# Altium PCB Arduino_DUE_V02b.PcbDoc
Units mil, origin at the board's own origin, x right, y up, seen from the top; angles counter-clockwise.
Board outline 4416.66 x 2112 mil, 2 copper layers (Top Layer, Bottom Layer); 78 components, 131 nets, 302 pads, 38 vias.
Unrouted connection lines stored in the file: 17.
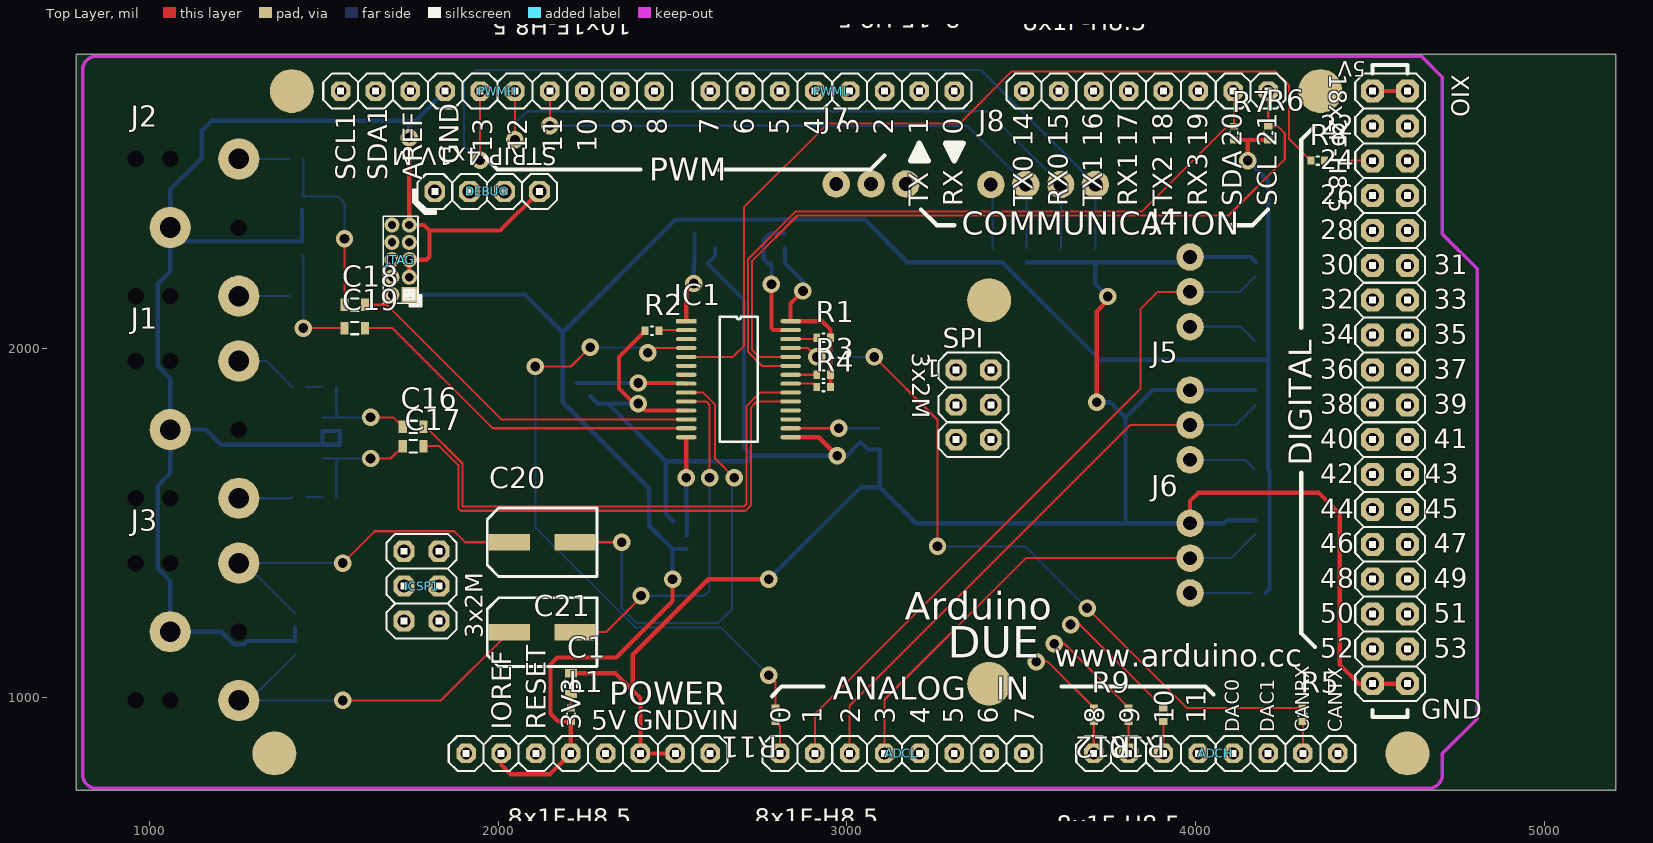
[diagram p0: Top Layer view]
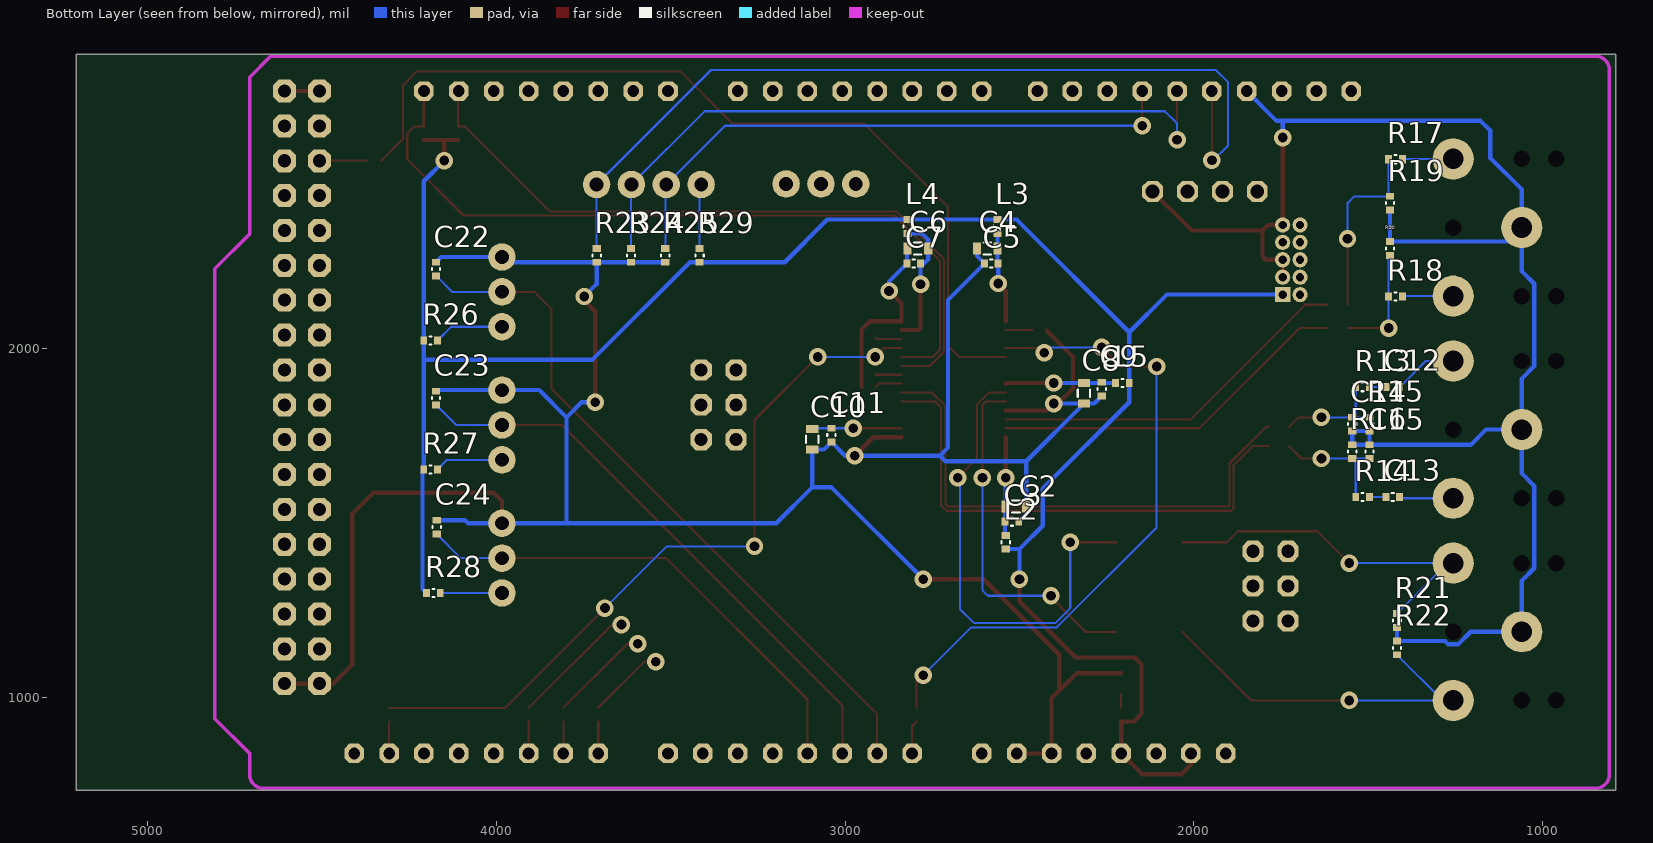
[diagram p1: Bottom Layer view, seen from below]
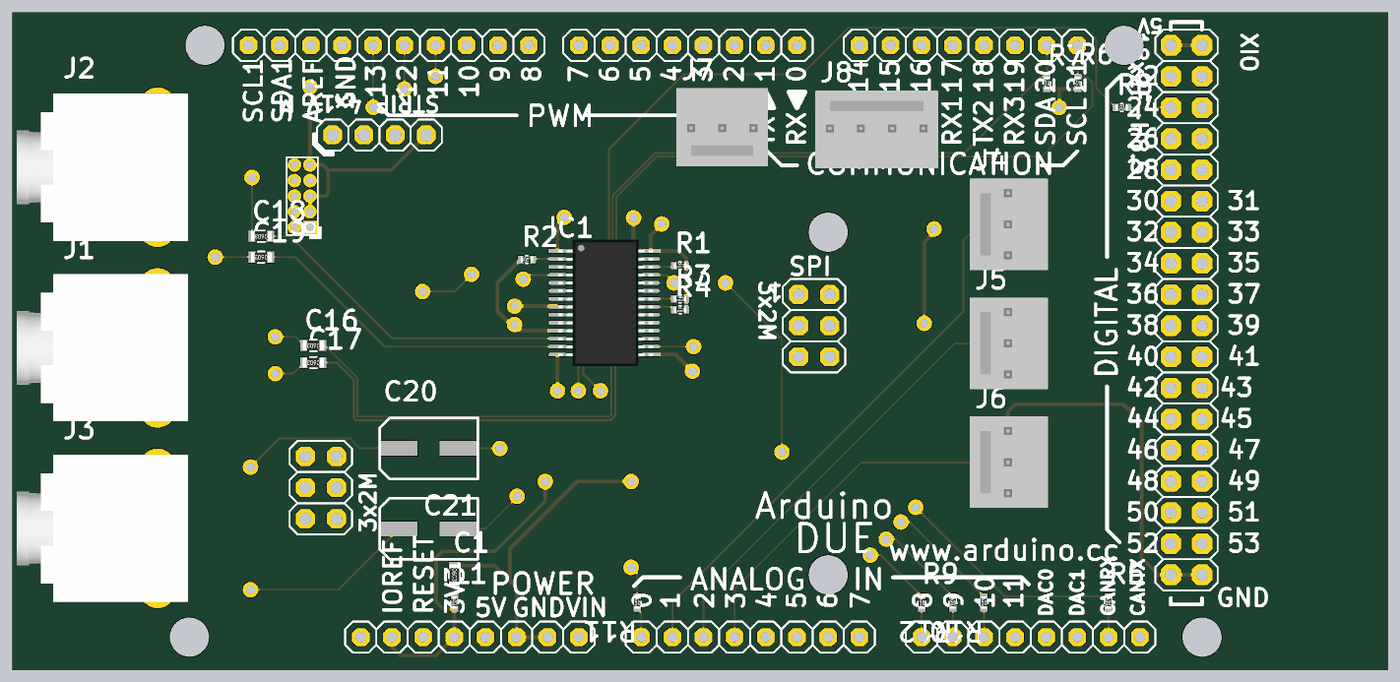
[diagram p2: 3D render of the assembled board from above, using the file's embedded part models]
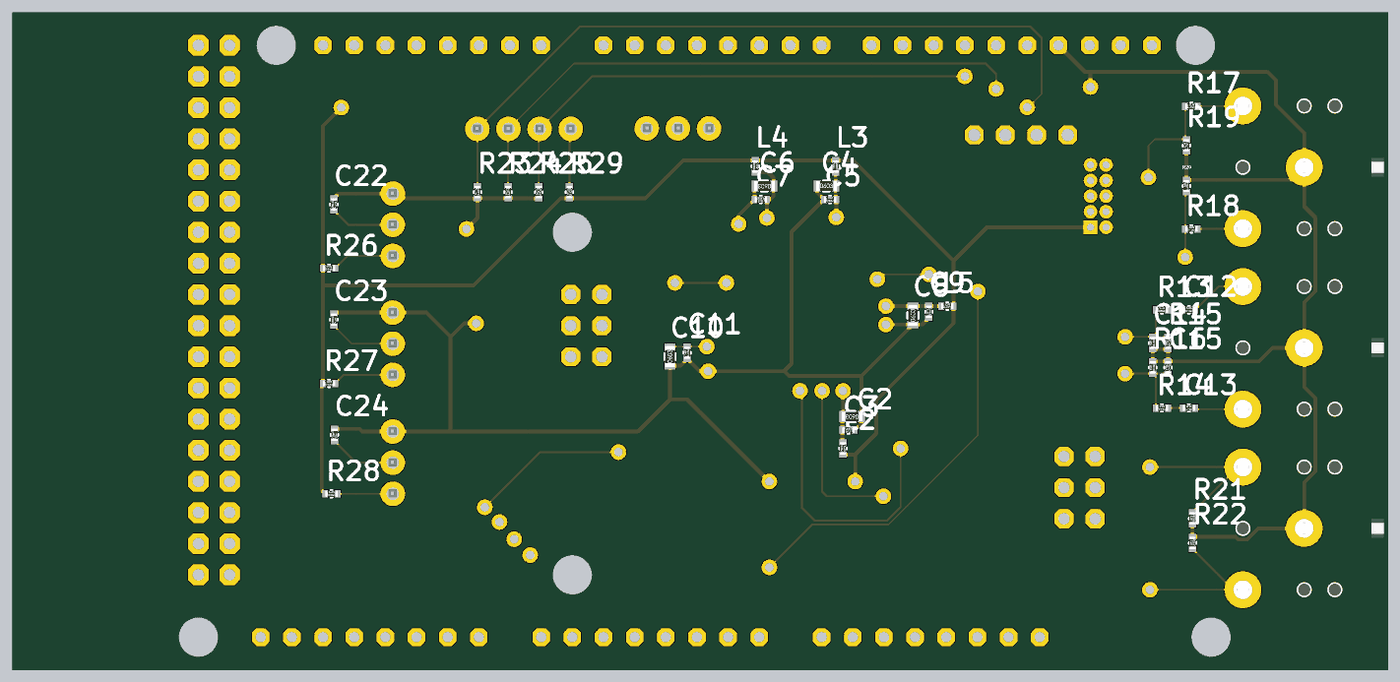
[diagram p3: 3D render of the assembled board from below, using the file's embedded part models]

## Layer stack, top to bottom
Top Solder 1: solder mask 0.4, Solder Resist, Dk 3.5
Top Layer: signal copper 1.4
Dielectric1: core 12.6, FR-4, Dk 4.8
Bottom Layer: signal copper 1.4
Bottom Solder 1: solder mask 0.4, Solder Resist, Dk 3.5

## Board outline
789.13,733 5205.79,733 5205.79,2845 789.13,2845

## Design rules (kind name [scope] priority, off if disabled: settings)
Clearance [All] p1: gap=6
ComponentClearance [All] p1: gap=12 collisioncheckmode=3 verticalgap=12 showdistances=FALSE
DiffPairsRouting [All] p1: maxlimit=393.7 minlimit=4.92 mostfreqgap=5.91 toplayer_minwidth=15 toplayer_maxwidth=15 toplayer_prefwidth=15 bottomlayer_minwidth=15 bottomlayer_maxwidth=15 bottomlayer_prefwidth=15 maxuncoupledlength=500
FabricationTestPointUsage FabricationTestPointUsage_1 [All] p1: valid=0 allowmultiple=FALSE
FabricationTestpoint FabricationTestpoint_1 [All] p1: side=3 testpointundercomponent=TRUE minsize=40 maxsize=100 preferedsize=60 minholesize=0 maxholesize=40 preferedholesize=32 testpointgrid=1 allowsidetop=TRUE allowsidebottom=TRUE usegrid=TRUE gridtolerance=0.01
HoleSize [All] p1: absolutevalues=TRUE maxlimit=236.22 minlimit=7.87 maxpercent=80.000 minpercent=20.000
HoleSize FabricationTestpoint [All] p2 off: absolutevalues=TRUE maxlimit=100 minlimit=1 maxpercent=80.000 minpercent=20.000
HoleSize FabricationTestPointUsage [All] p3 off: absolutevalues=TRUE maxlimit=100 minlimit=1 maxpercent=80.000 minpercent=20.000
PlaneClearance [All] p1: clearance=19.68
PlaneConnect [All] p1: planeconnectstyle=Relief reliefexpansion=15.75 reliefentries=4 reliefconductorwidth=5.91 reliefairgap=5.91
PolygonConnect [All] p1: connectstyle=Relief reliefconductorwidth=5.91 reliefentries=4 polygonreliefangle="90 Angle" airgapwidth=10
RoutingCorners [All] p1: cornerstyle=45-Degree minsetback=49.21 maxsetback=49.21
RoutingVias [All] p1: holewidth=11.81 width=23.62 viastyle="Through Hole" minholewidth=7.87 minwidth=17.72 maxholewidth=17.72 maxwidth=29.53
SolderMaskExpansion [All] p1: expansion=2.95
Width "Power Nets" [(InNet('1_DBVDD') OR InNet('+3V3') OR InNet('+5V') OR InNet('8_HPVDD') OR InNet('11_HPGND') OR InNet('14_AVDD') OR InNet('27_DCVDD'))] p1: maxlimit=12 minlimit=12 preferedwidth=12
Width [All] p2: maxlimit=10 minlimit=6 preferedwidth=8
22 further rules are at their usual default settings.

## Components (designator, comment, footprint, x,y, rotation, side; value= is the part's Value field where it differs from the comment)
ADCH "8x1F-H8.5" 1X08 4057.98,839 r0 top
ADCL "8x1F-H8.5" 1X08 3157.98,839 r0 top
C1 "Cap" 0603_s 2208.66,1039.37 r270 top
C2 "Cap" 0603_s 2509.84,1547.24 r0 bottom
C3 "Capacitor" 0402_s 2521.65,1503.94 r0 bottom
C4 "Cap" 0603_s 2592.52,2287.4 r180 bottom
C5 "Capacitor" 0402_s 2580.71,2244.09 r180 bottom
C6 "Cap" 0603_s 2791.34,2287.4 r0 bottom
C7 "Capacitor" 0402_s 2803.15,2244.09 r0 bottom
C8 "Cap" 0603_s 2314.96,1872.05 r90 bottom
C9 "Capacitor" 0402_s 2263.78,1883.86 r90 bottom
C10 "Cap" 0603_s 3094.49,1740.16 r90 bottom
C11 "Capacitor" 0402_s 3039.37,1751.97 r90 bottom
C12 "Capacitor" 0402_s 1429.13,1889.76 r180 bottom
C13 "Capacitor" 0402_s 1429.13,1574.8 r180 bottom
C14 "Capacitor" 0402_s 1545.28,1783.46 r90 bottom
C15 "Capacitor" 0402_s 1496.06,1704.72 r90 bottom
C16 "Cap" 0603_s 1755.91,1775.59 r180 top
C17 "Cap" 0603_s 1755.91,1720.47 r180 top
C18 "Cap" 0603_s 1588.58,2125.98 r180 top
C19 "Cap" 0603_s 1588.58,2059.06 r180 top
C20 "Capacitor" EEEFK0J221P 2125.98,1444.88 r180 top
C21 "Capacitor" EEEFK0J221P 2125.98,1186.98 r180 top
C22 "Capacitor" 0402_s 4173.23,2228.35 r270 bottom
C23 "Capacitor" 0402_s 4173.23,1858.27 r270 bottom
C24 "Capacitor" 0402_s 4171.26,1488.19 r270 bottom
COMMUNICATION "8x1F-H8.5" 1X08 3857.98,2739 r0 top
DEBUG "STRIP 4x1V M" 1X04 1967.98,2451 r180 top
IC1 "WM8731" SSOP28 2539.37,2078.74 r0 top
ICSP1 "3x2M" 2X03 1779.98,1319 r90 top
J1 "FC68131" FC68131 1059.06,1767.78 r0 top
J2 "FC68131" FC68131 1059.06,2347.48 r0 top
J3 "FC68131" FC68131 1059.06,1188.07 r0 top
J4 "MOLEX_3" 254_3 3984.25,2062.99 r90 top
J5 "MOLEX_3" 254_3 3984.25,1681.1 r90 top
J6 "MOLEX_3" 254_3 3984.25,1299.21 r90 top
J7 "MOLEX_3" 254_3 3169.29,2472.44 r180 top
J8 "MOLEX_4" 254_4 3412.99,2470.91 r0 top
JTAG "*" PINHEAD_2X05_127 1719.98,2255 r180 top
L1 "" 0402_S 2208.66,950 r270 top
L2 "" 0402_S 2539.37,1444.88 r270 bottom
L3 "" 0402_S 2562.99,2350.39 r90 bottom
L4 "" 0402_S 2820.87,2350.39 r270 bottom
L5 "" 0402_S 2204.72,1901.57 r180 bottom
POWER "8x1F-H8.5" 1X08 2257.98,839 r0 top
PWMH "10x1F-H8.5" 1X10 1997.98,2739 r180 top
PWML "8x1F-H8.5" 1X08 2957.98,2739 r180 top
R1 "" 0402_s 2933.07,2031.5 r0 top
R2 "" 0402_s 2440.94,2051.18 r180 top
R3 "" 0402_s 2933.07,1925.2 r0 top
R4 "" 0402_s 2933.07,1889.76 r0 top
R5 "" 0402_s 4307.09,950 r270 top
R6 "" 0402_s 4208.66,2618.11 r270 top
R7 "" 0402_s 4110.24,2618.11 r270 top
R8 "" 0402_s 4350.39,2539.37 r0 top
R9 "" 0402_s 3708.66,950 r270 top
R10 "" 0402_s 3907.48,950 r270 top
R11 "" 0402_s 2795.28,950 r270 top
R12 "" 0402_s 3808.07,950 r270 top
R13 "" 0402_s 1515.75,1889.76 r180 bottom
R14 "" 0402_s 1515.75,1574.8 r180 bottom
R15 "" 0402_s 1496.06,1783.46 r90 bottom
R16 "" 0402_s 1545.28,1704.72 r90 bottom
R17 "" 0402_s 1421.26,2543.31 r180 bottom
R18 "" 0402_s 1421.26,2149.61 r180 bottom
R19 "" 0402_s 1437.01,2417.32 r90 bottom
R20 "" 0402_s 1437.01,2287.4 r90 bottom
R21 "" 0402_s 1417.32,1220.47 r90 bottom
R22 "" 0402_s 1417.32,1141.73 r90 bottom
R23 "" 0402_s 3712.6,2267.72 r90 bottom
R24 "" 0402_s 3614.17,2267.72 r90 bottom
R25 "" 0402_s 3515.75,2267.72 r90 bottom
R26 "" 0402_s 4188.98,2023.62 r180 bottom
R27 "" 0402_s 4188.98,1653.54 r180 bottom
R28 "" 0402_s 4181.1,1299.21 r180 bottom
R29 "" 0402_s 3417.32,2267.72 r90 bottom
SPI "3x2M" 2X03 3362.98,1839 r270 top
XIO "18x2F-H8.5" 2X18 4557.98,1889 r270 top

## Footprints (in the part's own frame and the unit in brackets; to place one, negate y for a bottom-side part, rotate by r counter-clockwise, add the part's x,y. Pads: shape width x height; smd on the part's side, far side on the other; paste and mask are expansions set on the pad)
1X04 [mil]
  oct 60x60 hole 40: 1(-150,0) 2(-50,0) 3(50,0) 4(150,0)
  silkscreen extent -200,-50 200,50
1X08 [mil]
  oct 56x56 hole 33.46: 1(-350,0) 2(-250,0) 3(-150,0) 4(-50,0) 5(50,0) 6(150,0) 7(250,0) 8(350,0)
  silkscreen extent -400,-50 400,50
1X10 [mil]
  oct 56x56 hole 33.46: 1(-450,0) 2(-350,0) 3(-250,0) 4(-150,0) 5(-50,0) 6(50,0) 7(150,0) 8(250,0) 9(350,0) 10(450,0)
  silkscreen extent -500,-50 500,50
2X03 [mm]
  oct 1.55x1.55 hole 0.95: 1(-2.54,-1.27) 2(-2.54,1.27) 3(0,-1.27) 4(0,1.27) 5(2.54,-1.27) 6(2.54,1.27)
  silkscreen extent -3.81,-2.54 3.81,2.54
2X18 [mil]
  oct 66x66 hole 37.4: 1(-850,-50) 2(-850,50) 3(-750,-50) 4(-750,50) 5(-650,-50) 6(-650,50) 7(-550,-50) 8(-550,50) 9(-450,-50) 10(-450,50) 11(-350,-50) 12(-350,50) 13(-250,-50) 14(-250,50) 15(-150,-50) 16(-150,50) 17(-50,-50) 18(-50,50) 19(50,-50) 20(50,50) 21(150,-50) 22(150,50) 23(250,-50) 24(250,50) 25(350,-50) 26(350,50) 27(450,-50) 28(450,50) 29(550,-50) 30(550,50) 31(650,-50) 32(650,50) 33(750,-50) 34(750,50) 35(850,-50) 36(850,50)
  silkscreen extent -900,-100 900,100
254_3 [mm]
  round 2 hole 1: 1(0,0) 2(2.54,0) 3(5.08,0)
  body extent -1.16,-3.27 6.31,3.08, height 11.03
254_4 [mm]
  round 2 hole 1: 1(0,0) 2(2.54,0) 3(5.08,0) 4(7.62,0)
  body extent -1.18,-3.22 8.83,3.13, height 11.03
0402_s [mm] "Standard 0402footprint, small"
  rect 0.5x0.6 smd: 1(-0.5,0) 2(0.5,0)
  silkscreen extent -0.08,-0.3 0.08,0.3, body extent -0.5,-0.25 0.5,0.25, height 0.35
0402_S [mm] "Standard 0402footprint, small"
  rect 0.5x0.6 smd: 1(-0.5,0) 2(0.5,0)
  silkscreen extent -0.08,-0.3 0.08,0.3, body extent -0.5,-0.25 0.5,0.25, height 0.35
0603_s [mm] "Standard 0603 footprint, small"
  rect 0.6x0.9 smd: 1(-0.75,0) 2(0.75,0)
  silkscreen extent -0.28,-0.45 0.28,0.45, body extent -0.85,-0.4 0.85,0.4, height 0.56
EEEFK0J221P [mm]
  rect 3x1.2 smd: 1(-2.4,0) 2(2.4,0)
  silkscreen extent -4,-2.5 4,2.5, body extent -3.12,-3.15 3.18,3.15, height 5.8
FC68131 [mm]
  round 3 hole 1.5: 1(0,0) 2(5,-5) 5(5,5)
  round 0 hole 1.2: ""(-2.5,-5) ""(-2.5,5) ""(0,-5) ""(0,5) ""(5,0)
  body extent -6.5,-6 7.5,6, height 5.5
PINHEAD_2X05_127 [mm]
  rect 1.108x1.108 hole 0.6: 1(-0.635,2.54)
  round 1.108 hole 0.6: 2(0.635,2.54) 3(-0.635,1.27) 4(0.635,1.27) 5(-0.635,0) 6(0.635,0) 7(-0.635,-1.27) 8(0.635,-1.27) 9(-0.635,-2.54) 10(0.635,-2.54)
  silkscreen extent -1.52,-3.17 1.27,3.43
SSOP28 [mm]
  rect 1.5x0.3 smd: 1(0,0)
  oval 1.5x0.3 smd: 2(0,-0.65) 3(0,-1.3) 4(0,-1.95) 5(0,-2.6) 6(0,-3.25) 7(0,-3.9) 8(0,-4.55) 9(0,-5.2) 10(0,-5.85) 11(0,-6.5) 12(0,-7.15) 13(0,-7.8) 14(0,-8.45) 15(7.6,-8.45) 16(7.6,-7.8) 17(7.6,-7.15) 18(7.6,-6.5) 19(7.6,-5.85) 20(7.6,-5.2) 21(7.6,-4.55) 22(7.6,-3.9) 23(7.6,-3.25) 24(7.6,-2.6) 25(7.6,-1.95) 26(7.6,-1.3) 27(7.6,-0.65) 28(7.6,0)
  silkscreen extent 2.43,-8.78 5.21,0.33, body extent 0.05,-9.4 7.8,0.93, height 2.15

## Part data
ADCH ADCL COMMUNICATION POWER PWML: library part PINHD-1X8
C3 C5 C7 C9 C11 C12 C13 C14 C15 C20 C21 C22 C23 C24: library part EA00008430
DEBUG: library part PINHD-1X4
ICSP1 SPI: library part PINHD-2X3
JTAG: library part PINHEAD_PINHD-2X5PASSO127
L1 L2 L3 L4 L5: library part EA00008563
PWMH: library part PINHD-1X10
R1 R2 R3 R4 R5 R6 R7 R8 R9 R10 R11 R12 R13 R14 R15 R16 R17 R18 R19 R20 R21 R22 R23 R24 R25 R26 R27 R28 R29: library part EA00008473
XIO: library part PINHD-2X18

## Free pads (board coordinates)
  round 125.98 smd: ""(1357.98,839) ""(1407.98,2739) ""(3407.98,1039) ""(3407.98,2139) ""(4357.98,2739) ""(4607.98,839)

## Via types
v1: diameter 50, hole 28, Top Layer to Bottom Layer, 38 vias

## Nets (pads, with @x,y where several pads share a name; then routed paths per layer and width w, separated by ;. In a path a pad name is that pad's centre, name@x,y a point inside that pad or via, vN(x,y) a via of type N, cw(c..) or ccw(c..) an arc to the next point about the centre after c; other vN are vias at no path point)
1_DBVDD: C4.2 C5.2 IC1.1 L3.1 | length 259
  Top Layer w12: IC1.1 2539.37,2165.35 v1(2561.02,2187.01)
  Bottom Layer w12: v1(2561.02,2187.01) C5.2 ; C5.2@2562.99,2246.06 C4.2 L3.1
2_CLKOUT: IC1.2 R2.1 | length 76.8
  Top Layer w6: R2.1@2462.6,2053.15 IC1.2
3_BCLK: IC1.3 R10.1 | length 364.7
  Top Layer w6: v1(3641.73,1208.66) 3668.5,1208.66 R10.1
4_DACDAT: IC1.4 R11.1 | length 1876.4
  Top Layer w6: v1(2106.3,1948.82) 2208.66,1948.82 v1(2263.78,2003.94) ; v1(2429.13,1988.19) 2442.91,2001.97 IC1.4 ; v1(2775.59,1062.99) 2795.28,1043.31 R11.1
  Bottom Layer w6: v1(2106.3,1948.82) 2106.3,1486.97 2392.67,1200.6 2637.98,1200.6 v1(2775.59,1062.99) ; v1(2263.78,2003.94) 2413.39,2003.94 v1(2429.13,1988.19)
5_DACLRC: IC1.5 R8.1 | length 2559.4
  Top Layer w6: IC1.5 2673.23,1976.38 2704.35,2007.5 2704.35,2405.13 2944.88,2645.67 3322.83,2645.67 3472.44,2795.28 4228.35,2795.28 4267.91,2755.72 4267.91,2602.17 R8.1
6_ADCDAT: IC1.6 R12.1 | length 289.7
  Top Layer w6: v1(3594.49,1153.54) 3624.21,1153.54 R12.1
7_ADCLRC: IC1.7 R9.1 | length 220.3
  Top Layer w6: v1(3543.31,1102.36) 3575.98,1102.36 R9.1
8_HPVDD: C8.2 C9.2 IC1.8 L5.1 | length 315.8
  Top Layer w12: v1(2401.57,1901.57) 2537.4,1901.57 IC1.8
  Bottom Layer w12: L5.1 C8.2 v1(2401.57,1901.57)
9_LHPOUT: C20.1 IC1.9 | length 1382.8
  Top Layer w6: C20.1 v1(2354.33,1444.88) ; IC1.9 2587.84,1874.02 2622.24,1839.62 2622.24,1684.85 v1(2677.17,1629.92)
  Bottom Layer w6: v1(2354.33,1444.88) 2354.33,1255.91 2397.64,1212.6 2629.92,1212.6 2670.72,1253.4 2670.72,1623.48 v1(2677.17,1629.92)
10_RHPOUT: C21.1 IC1.10 | length 1040.4
  Top Layer w6: C21.1 2309.03,1186.98 2409.45,1287.4 v1(2409.45,1291.34) ; IC1.10 2596.46,1848.42 2606.3,1838.58 v1(2606.3,1629.92)
  Bottom Layer w6: v1(2409.45,1291.34) 2590.55,1291.34 2606.3,1307.09 v1(2606.3,1629.92)
11_HPGND: C1.1 C2.1 C3.1 C4.1 C5.1 C6.2 C7.2 C8.1 C9.1 C10.1 C11.1 C14.1 C15.2 C22.1 C23.1 C24.1 DEBUG.1 IC1.11 IC1.15 IC1.28 ICSP1.6 J1.1 J2.1 J3.1 J4.3 J5.3 J6.3 J7.3 JTAG.3 JTAG.5 JTAG.9 POWER.6 POWER.7 PWMH.7 R1.2 R2.2 R3.2 R4.2 R15.1 R16.2 R19.1 R20.2 R21.1 R22.2 R23.1 R24.1 R25.1 SPI.6 XIO.35 XIO.36 | length 13508.3
  Top Layer w12: JTAG.3 JTAG.5 1794.37,2255 1803.15,2263.78 1803.15,2338.58 ; v1(1744.98,2605.41) JTAG.9 1786.73,2355 1803.15,2338.58 ; DEBUG.1 2005.56,2338.58 1803.15,2338.58 ; C1.1 2336.61,1068.9 2385.83,1019.69 ; R2.2 2346.46,1976.38 2346.46,1885.83 2389.76,1842.52 v1(2401.57,1842.52) 2421.26,1822.83 IC1.11 ; POWER.7 POWER.6 2407.98,997.53 2385.83,1019.69 ; v1(2775.59,1338.58) 2602.36,1338.58 2385.83,1122.05 2385.83,1019.69 ; IC1.15 2919.29,1746.06 v1(2972.44,1692.91) ; v1(2874.02,2165.35) 2838.58,2129.92 IC1.28 2929.13,2078.74 2952.76,2055.12 R1.2 R3.2 R4.2 ; v1(3716.54,1846.46) 3716.54,2106.3 3748.03,2137.8 v1(3748.03,2149.61) ; J6.3 3984.25,1562.99 4007.87,1586.61 4354.33,1586.61 4413.39,1527.56 4413.39,1094.49 4468.87,1039 XIO.35 XIO.36
  Bottom Layer w12: R21.1 R22.2 1279.63,1161.42 1270.66,1152.45 1241.15,1152.45 1205.53,1188.07 J3.1 1059.06,1334.54 1023.43,1370.17 1023.43,1606.55 1059.06,1642.17 J1.1 ; R19.1 R20.2 1099.45,2307.09 J2.1 ; v1(1744.98,2605.41) 1744.98,2652.66 ; PWMH.7 1762.52,2653.54 1177.17,2653.54 1149.61,2625.98 1149.61,2547.24 1059.06,2456.69 J2.1 ; C9.1 2285.43,1842.52 C8.1 ; v1(2401.57,1842.52) C8.1 ; C3.1 2480.31,1525.59 C2.1 2480.31,1677.17 ; C4.1 2622.05,2265.75 C5.1 2704.72,2139.76 2704.72,1716.54 2728.35,1692.91 ; v1(2775.59,1338.58) 3039.37,1602.36 3094.49,1602.36 ; C6.2 2822.83,2285.43 C7.2 2874.02,2192.91 v1(2874.02,2165.35) ; R25.1 R24.1 R23.1 ; v1(3716.54,1846.46) 3755.91,1846.46 3799.21,1803.15 ; v1(3748.03,2149.61) 3712.6,2185.04 R23.1 ; C23.1@4170.08,1881.1 J5.3 3877.17,1881.1 3799.21,1803.15 ; C24.1 4090.55,1507.87 4081.89,1499.21 J6.3 3799.21,1499.21 ; C22.1 4158.27,2262.99 J4.3 3969.29,2248.03 R23.1 ; J1.1 1059.06,1914.25 1023.43,1949.87 1023.43,2186.25 1059.06,2221.87 J2.1 ; J1.1 1161.36,1767.78 1204.72,1724.41 C15.2 ; C15.2 R16.2 C14.1 R15.1 C15.2 ; C8.1 2480.31,1677.17 ; 2480.31,1677.17 2712.6,1677.17 2728.35,1692.91 ; 2728.35,1692.91 v1(2972.44,1692.91) 3000,1692.91 C11.1 3061.02,1710.63 C10.1 3094.49,1602.36 ; 3094.49,1602.36 3197.64,1499.21 3799.21,1499.21 ; 3799.21,1499.21 3799.21,1803.15
12_LOUT: C18.1 IC1.12 | length 1057.4
  Top Layer w6: C18.1 1680.42,2125.98 2009.16,1797.24 IC1.12
13_ROUT: C19.1 IC1.13 | length 1040.3
  Top Layer w6: C19.1 1696.85,2059.06 1984.25,1771.65 IC1.13
14_AVDD: C2.2 C3.2 IC1.14 L2.1 | length 283.1
  Top Layer w12: v1@2539.37,1625.98 IC1.14
  Bottom Layer w12: L2.1 2541.34,1466.54 C3.2 2541.34,1545.28 C2.2 v1@2539.37,1625.98
  other v1: 2539.37,1629.92
16_VMID: C10.2 C11.2 IC1.16 | length 253.9
  Top Layer w6: IC1.16 v1(2976.38,1771.65)
  Bottom Layer w6: v1(2976.38,1771.65) C10.2@3092.52,1771.65
17_MICBIAS: IC1.17 J7.1
18_MICIN: IC1.18 J7.2
19_RLINEIN: C17.1 IC1.19 | length 1496.3
  Top Layer w6: C17.1 1830.71,1720.47 1885.64,1665.54 1885.64,1542.27 1892.67,1535.24 2709.69,1535.24 2724.6,1550.15 2724.6,1830.9 2742.13,1848.42 IC1.19
20_LLINEIN: C16.1 IC1.20 | length 1519.8
  Top Layer w6: C16.1 1792.56,1775.59 1897.64,1670.51 1897.64,1547.24 2704.72,1547.24 2712.6,1555.12 2712.6,1835.87 2750.75,1874.02 IC1.20
21_MODE: IC1.21 R4.1 | length 78.9
  Top Layer w6: IC1.21 2903.54,1899.61 R4.1
22_CSB: IC1.22 R3.1 | length 74.8
  Top Layer w6: IC1.22 R3.1
23_SDIN: COMMUNICATION.7 IC1.23 R7.1 | length 2058.6
  Top Layer w6: IC1.23 2756.65,1950.79 2716.35,1991.09 2716.35,2256.94 2853.3,2393.89 3846.65,2393.89 4090.55,2637.8 R7.1 4110.24,2736.74 COMMUNICATION.7
24_SCLK: COMMUNICATION.8 IC1.24 R6.1 | length 2254.2
  Top Layer w6: IC1.24 2748.03,1976.38 2728.35,1996.06 2728.35,2251.97 2858.27,2381.89 4094.49,2381.89 4255.91,2543.31 4255.91,2618.11 4236.22,2637.8 R6.1 4208.66,2738.32 COMMUNICATION.8
25_XTI/MCLK: IC1.25 R5.1 | length 2108.3
  Top Layer w6: IC1.25 2887.8,2001.97 v1(2913.39,1976.38) ; v1(3078.74,1976.38) 3259.84,1795.28 v1(3259.84,1433.07) ; v1(3688.98,1255.91) 3975.2,969.68 R5.1
  Bottom Layer w6: v1(2913.39,1976.38) v1(3078.74,1976.38) ; v1(3259.84,1433.07) 3511.81,1433.07 v1(3688.98,1255.91)
26_XTO: IC1.26 R1.1 | length 76.4
  Top Layer w6: IC1.26 2909.45,2027.56 R1.1
27_DCVDD: C6.1 C7.1 IC1.27 L4.2 | length 392.6
  Top Layer w12: v1(2783.46,2185.04) 2783.46,2059.06 2789.37,2053.15 IC1.27
  Bottom Layer w12: v1(2783.46,2185.04) C7.1 2773.62,2244.09 2761.81,2255.91 C6.1 2761.81,2312.99 2779.53,2330.71 L4.2
+3V3: JTAG.1 L1.2 L2.2 L3.2 L4.1 L5.2 POWER.2 POWER.4 R6.2 R7.2 R26.1 R27.1 R28.1 R29.1 | length 6172.6
  Top Layer w12: POWER.2 2007.98,806.98 2035.43,779.53 2148.51,779.53 POWER.4 L1.2@2207.98,929.63 ; L1.2 2172.05,930.32 2149.61,952.76 2149.61,1094.49 2169.29,1114.17 2338.58,1114.17 2500,1275.59 v1(2500,1338.58) ; R7.2 4149.61,2598.43 ; v1(4149.61,2539.37) 4149.61,2598.43 ; R6.2 4149.61,2598.43
  Bottom Layer w12: JTAG.1 2077.28,2155 2185.04,2047.24 ; v1(2500,1338.58) 2500,1425.2 ; L2.2 2500,1425.2 ; v1(4149.61,2539.37) 4208.66,2480.32 R26.1 4208.66,1968.5 ; R28.1 4212.6,1311.02 4212.6,1649.61 R27.1 4208.66,1968.5 ; 2185.04,2047.24 2507.87,2370.08 L3.2 L4.1 3051.18,2370.08 3173.23,2248.03 R29.1 3444.88,2248.03 3724.41,1968.5 4208.66,1968.5 ; 2185.04,2047.24 L5.2 2185.04,1846.46 2433.07,1598.43 2433.07,1492.13 2500,1425.2
+5V: ICSP1.2 POWER.5 SPI.2 XIO.1 XIO.2 | length 100
  Top Layer w12: XIO.1 XIO.2
AD0: ADCL.1 R11.2 | length 96.6
  Top Layer w6: R11.2 2807.98,917.61 ADCL.1
AD1: ADCL.2 C22.2 J4.2 | length 2032.1
  Top Layer w6: ADCL.2 2907.98,951.29 3842.52,1885.83 3842.52,2114.17 3891.34,2162.99 J4.2
  Bottom Layer w6: J4.2 4127.56,2162.99 C22.2
AD2: ADCL.3 C23.2 J5.2 | length 1659.8
  Top Layer w6: ADCL.3 3007.98,976.48 3812.6,1781.1 J5.2
  Bottom Layer w6: J5.2 4115.75,1781.1 C23.2
AD3: ADCL.4 C24.2 J6.2 | length 1414.7
  Top Layer w6: ADCL.4 3107.98,993.81 3513.39,1399.21 J6.2
  Bottom Layer w6: J6.2 4101.97,1399.21 C24.2
AD4: ADCL.5
AD5: ADCL.6
AD6: ADCL.7
AD7: ADCL.8
AD8: ADCH.1 R9.2 | length 91.6
  Top Layer w6: ADCH.1 3707.98,929.63 R9.2
AD9: ADCH.2 R12.2 | length 91.4
  Top Layer w6: ADCH.2 3807.98,930.22 R12.2
AD10: ADCH.3 R10.2 | length 91.5
  Top Layer w6: R10.2 3907.98,929.82 ADCH.3
AD11(TXD3): ADCH.4
AD14(RXD3): XIO.33
AREF: PWMH.8
CANRX0: ADCH.7 R5.2 | length 91.7
  Top Layer w6: R5.2 4307.98,929.42 ADCH.7
CANTX0: ADCH.8
CANTX1/IO: XIO.34
DAC0(CANRX1): ADCH.5
DAC1: ADCH.6
JTAG_RESET: JTAG.10
JTAG_TCK: DEBUG.2 JTAG.4
JTAG_TDI: JTAG.8
JTAG_TDO: JTAG.6
JTAG_TMS: DEBUG.3 JTAG.2
MASTER-RESET: DEBUG.4 POWER.3 SPI.5
MISO: SPI.1
MISO2: ICSP1.1
MOSI: SPI.4
MOSI2: ICSP1.4
NetC1_2: C1.2 L1.1 | length 40.2
  Top Layer w6: L1.1 C1.2
NetC12_1: C12.1 R13.2 | length 47.2
  Bottom Layer w6: C12.1 R13.2
NetC12_2: C12.2 J1.5 | length 184.6
  Bottom Layer w6: J1.5 1334.59,1964.63 C12.2
NetC13_1: C13.1 R14.2 | length 47.2
  Bottom Layer w6: C13.1 R14.2
NetC13_2: C13.2 J1.2 | length 155.1
  Bottom Layer w6: J1.2 1405.57,1570.93 C13.2
NetC14_2: C14.2 C16.2 R13.1 R15.2 | length 332.4
  Top Layer w6: v1(1633.86,1803.15) 1698.82,1803.15 C16.2
  Bottom Layer w6: R15.2 C14.2 ; R13.1 1535.43,1812.99 C14.2 ; v1(1633.86,1803.15) C14.2
NetC15_1: C15.1 C17.2 R14.1 R16.1 | length 359.3
  Top Layer w6: v1(1633.86,1685.04) 1690.94,1685.04 C17.2
  Bottom Layer w6: C15.1 R16.1 ; R14.1 1535.43,1675.2 R16.1 ; v1(1633.86,1685.04) R16.1
NetC18_2: C18.2 R17.1 R19.2 | length 529.5
  Top Layer w6: C18.2 v1(1559.06,2314.96)
  Bottom Layer w6: R17.1 1440.94,2440.94 R19.2 1539.37,2437.01 1559.06,2417.32 v1(1559.06,2314.96)
NetC19_2: C19.2 R18.1 R20.1 | length 328.4
  Top Layer w6: v1(1440.94,2059.06) C19.2
  Bottom Layer w6: R20.1 1440.94,2263.78 R18.1 v1(1440.94,2059.06)
NetC20_2: C20.2 J3.5 R21.2 | length 1031.2
  Top Layer w6: v1(1554.21,1384.92) 1645.67,1476.38 1874.02,1476.38 1905.51,1444.88 C20.2
  Bottom Layer w6: J3.5 J3.5@1272.56,1384.92 ; R21.2 J3.5@1272.56,1384.92 ; v1(1554.21,1384.92) J3.5@1272.56,1384.92
NetC21_2: C21.2 J3.2 R22.1 | length 1041.7
  Top Layer w6: v1(1554.21,991.22) 1835.74,991.22 C21.2
  Bottom Layer w6: J3.2 J3.2@1286.5,991.22 ; R22.1 J3.2@1286.5,991.22 ; v1(1554.21,991.22) J3.2@1286.5,991.22
NetJ2_2: J2.2 R18.2 | length 146.1
  Bottom Layer w6: J2.2 1400.55,2150.63 R18.2
NetJ2_5: J2.5 R17.2 | length 146.1
  Bottom Layer w6: J2.5 1400.55,2544.33 R17.2
NetJ4_1: J4.1 R26.2 | length 201.3
  Bottom Layer w6: J4.1 4129.92,2062.99 R26.2
NetJ5_1: J5.1 R27.2 | length 196.5
  Bottom Layer w6: J5.1 4141.73,1681.1 R27.2
NetJ6_1: J6.1 R28.2 | length 177.2
  Bottom Layer w6: J6.1 R28.2
NetJ8_1: J8.1 R29.2 | length 185.3
  Bottom Layer w6: J8.1 3417.32,2466.57 R29.2
NetPOWER_1: POWER.1
PIN22: XIO.3
PIN23: XIO.4
PIN24: R8.2 XIO.5 | length 138.1
  Top Layer w6: R8.2 4507.61,2539.37 XIO.5
PIN25: XIO.6
PIN26: XIO.7
PIN27: XIO.8
PIN28: XIO.9
PIN29: XIO.10
PIN30: XIO.11
PIN31: XIO.12
PIN32: XIO.13
PIN33: XIO.14
PIN34: XIO.15
PIN35: XIO.16
PIN36: XIO.17
PIN37: XIO.18
PIN38: XIO.19
PIN39: XIO.20
PIN40: XIO.21
PIN41: XIO.22
PIN42: XIO.23
PIN43: XIO.24
PIN44: XIO.25
PIN45: XIO.26
PIN46: XIO.27
PIN47: XIO.28
PIN48: XIO.29
PIN49: XIO.30
PIN50: XIO.31
PIN51: XIO.32
PWM2: PWML.3
PWM3: PWML.4
PWM5: PWML.6
PWM6: PWML.7
PWM7: PWML.8
PWM8: PWMH.1
PWM9: PWMH.2
PWM11: J8.2 PWMH.4 R25.2 | length 1719
  Top Layer w6: v1(2147.98,2639.42) PWMH.4
  Bottom Layer w6: v1(2147.98,2639.42) 3344.48,2639.42 J8.2 3515.75,2468.15 R25.2
PWM12: J8.3 PWMH.5 R24.2 | length 2037.5
  Top Layer w6: v1(2047.98,2599.16) PWMH.5
  Bottom Layer w6: v1(2047.98,2599.16) 2047.98,2646.41 2082.68,2681.1 3402.8,2681.1 J8.3 3614.17,2469.72 R24.2
PWM13: J8.4 PWMH.6 R23.2 | length 2589.6
  Top Layer w6: v1(1947.98,2540.21) PWMH.6
  Bottom Layer w6: v1(1947.98,2540.21) 1944.04,2540.21 1901.57,2582.68 1901.57,2763.78 1937.01,2799.21 3384.69,2799.21 J8.4 3712.6,2470.51 R23.2
RESET2: ICSP1.5
RX: PWML.1
RXD0: COMMUNICATION.2
RXD1: COMMUNICATION.4
RXD2: COMMUNICATION.6
SCK2: ICSP1.3
SCL1: PWMH.10
SDA1: PWMH.9
SPCK: SPI.3
SS0/PWM10: PWMH.3
SS1/PWM4: PWML.5
TX: PWML.2
TXD0: COMMUNICATION.1
TXD1: COMMUNICATION.3
TXD2: COMMUNICATION.5
VIN: POWER.8
pads on no net: J1. J2. J3. JTAG.7

## Keep-outs
Keep-Out Layer:
  lines w10: 807.98,778.37 ccw(c847.35,778.37) 847.35,739 4668.61,739 ccw(c4668.61,778.37) 4707.98,778.37 4707.98,839 4807.98,939 4807.98,2229 4707.98,2329 4707.98,2779 4647.98,2839 847.35,2839 ccw(c847.35,2799.63) 807.98,2799.63 807.98,778.37

## Silkscreen, mask and mechanical layers (free items; w line width, h text height)
Top Overlay 1:
  lines w8: 1755.98,2421 1789.98,2387 1819.98,2387 1819.98,2395 1791.98,2395 1763.98,2423 1763.98,2455 1755.98,2455 1755.98,2421
  lines w12: 1962.98,2549 1997.98,2514 2407.98,2514 ; 2627.98,2514 3067.98,2514 3107.98,2554 ; 2784.98,1003 2812.98,1031 2932.98,1031 ; 3212.98,2399 3257.98,2354 3307.98,2354 ; 3615.98,1031 4028.98,1031 4051.98,1008 ; 4092.98,2354 4162.98,2354 4207.98,2399 ; 4302.98,1644 4302.98,1184 4342.98,1144 ; 4302.98,2059 4302.98,2599 4342.98,2639 ; 4507.98,964 4507.98,944 4607.98,944 4607.98,964 ; 4507.98,2789 4507.98,2814 4607.98,2814 4607.98,2789
  lines w16: 3182.98,2539 3207.98,2564 ; 3182.98,2539 3207.98,2539 ; 3182.98,2539 3207.98,2589 3232.98,2539 ; 3207.98,2539 3232.98,2539 ; 3207.98,2539 3207.98,2564 ; 3207.98,2564 3232.98,2539 ; 3282.98,2589 3307.98,2564 ; 3282.98,2589 3307.98,2539 3332.98,2589 ; 3282.98,2589 3307.98,2589 ; 3307.98,2564 3307.98,2589 ; 3307.98,2564 3332.98,2589 ; 3307.98,2589 3332.98,2589
  text "5V" at 4487.98,2824 h44 r180
  text "9" at 2382.98,2614 h56 r90
  text "8" at 2482.98,2614 h56 r90
  text "7" at 2632.98,2614 h56 r90
  text "6" at 2732.98,2614 h56 r90
  text "5" at 2832.98,2614 h56 r90
  text "4" at 2932.98,2614 h56 r90
  text "3" at 3032.98,2614 h56 r90
  text "2" at 3132.98,2614 h56 r90
  text "1" at 3232.98,2614 h56 r90
  text "0" at 3332.98,2614 h56 r90
  text "22" at 4357.98,2614 h56
  text "14" at 3532.98,2579 h56 r90
  text "15" at 3632.98,2579 h56 r90
  text "16" at 3732.98,2579 h56 r90
  text "17" at 3832.98,2579 h56 r90
  text "18" at 3932.98,2579 h56 r90
  text "19" at 4032.98,2579 h56 r90
  text "20" at 4132.98,2579 h56 r90
  text "21" at 4232.98,2579 h56 r90
  text "13" at 1982.98,2564 h56 r90
  text "12" at 2082.98,2564 h56 r90
  text "11" at 2182.98,2564 h56 r90
  text "10" at 2282.98,2564 h56 r90
  text "GND" at 1887.23,2529.48 h56 r90
  text "24" at 4357.98,2514 h56
  text "SCL1" at 1589.81,2482.48 h56 r90
  text "SDA1" at 1681.81,2482.48 h56 r90
  text "AREF" at 1781.81,2482.48 h56 r90
  text "PWM" at 2432.98,2481 h66
  text "26" at 4357.98,2414 h56
  text "TX" at 3232.98,2409 h56 r90
  text "RX" at 3332.98,2409 h56 r90
  text "TX0" at 3532.98,2409 h56 r90
  text "RX0" at 3632.98,2409 h56 r90
  text "TX1" at 3732.98,2409 h56 r90
  text "RX1" at 3832.98,2409 h56 r90
  text "TX2" at 3932.98,2409 h56 r90
  text "RX3" at 4032.98,2409 h56 r90
  text "SDA" at 4132.98,2409 h56 r90
  text "SCL" at 4232.98,2409 h56 r90
  text "28" at 4357.98,2314 h56
  text "30" at 4357.98,2214 h56
  text "31" at 4682.98,2214 h56
  text "32" at 4357.98,2114 h56
  text "33" at 4682.98,2114 h56
  text "34" at 4357.98,2014 h56
  text "35" at 4682.98,2014 h56
  text "1" at 3267.65,1968.52 h50 r180
  text "36" at 4357.98,1914 h56
  text "37" at 4682.98,1914 h56
  text "38" at 4357.98,1814 h56
  text "39" at 4682.98,1814 h56
  text "40" at 4357.98,1714 h56
  text "41" at 4682.98,1714 h56
  text "DIGITAL" at 4332.98,1664 h66 r90
  text "42" at 4357.98,1614 h56
  text "43" at 4657.98,1614 h56
  text "44" at 4357.98,1514 h56
  text "45" at 4657.98,1514 h56
  text "46" at 4357.98,1414 h56
  text "47" at 4682.98,1414 h56
  text "48" at 4357.98,1314 h56
  text "49" at 4682.98,1314 h56
  text "Arduino" at 3165.98,1223 h80
  text "50" at 4357.98,1214 h56
  text "51" at 4682.98,1214 h56
  text "52" at 4357.98,1114 h56
  text "53" at 4682.98,1114 h56
  text "DUE" at 3289.98,1113 h90
  text "www.arduino.cc" at 3594.98,1088 h65
  text "ANALOG   IN" at 2958.98,993 h66
  text "GND" at 4647.98,939 h56
  text "0" at 2837.98,924 h56 r90
  text "1" at 2927.98,924 h56 r90
  text "2" at 3037.98,924 h56 r90
  text "3" at 3137.98,924 h56 r90
  text "4" at 3237.98,924 h56 r90
  text "5" at 3332.98,924 h56 r90
  text "6" at 3432.98,924 h56 r90
  text "7" at 3537.98,924 h56 r90
  text "8" at 3737.98,924 h56 r90
  text "9" at 3837.98,924 h56 r90
  text "10" at 3937.98,924 h56 r90
  text "11" at 4029.98,924 h56 r90
  text "5V" at 2267.46,907.17 h56
  text "GND" at 2387.46,907.17 h56
  text "VIN" at 2559.46,907.17 h56
  text "IOREF" at 2036.81,906.48 h56 r90
  text "RESET" at 2136.81,906.48 h56 r90
  text "3V3" at 2236.81,906.48 h56 r90
  text "DAC0" at 4125.98,900 h40 r90
  text "DAC1" at 4225.98,900 h40 r90
  text "CANRX" at 4325.98,900 h40 r90
  text "CANTX" at 4420.98,900 h40 r90

## Dimensions
787.4,531.5 to 4822.83,551.18 on Top Layer
629.92,2834.65 to 610.24,728.35 on Top Layer